# Altium PCB DRS4-PCB.PcbDoc (part 12 of 15) (continued)
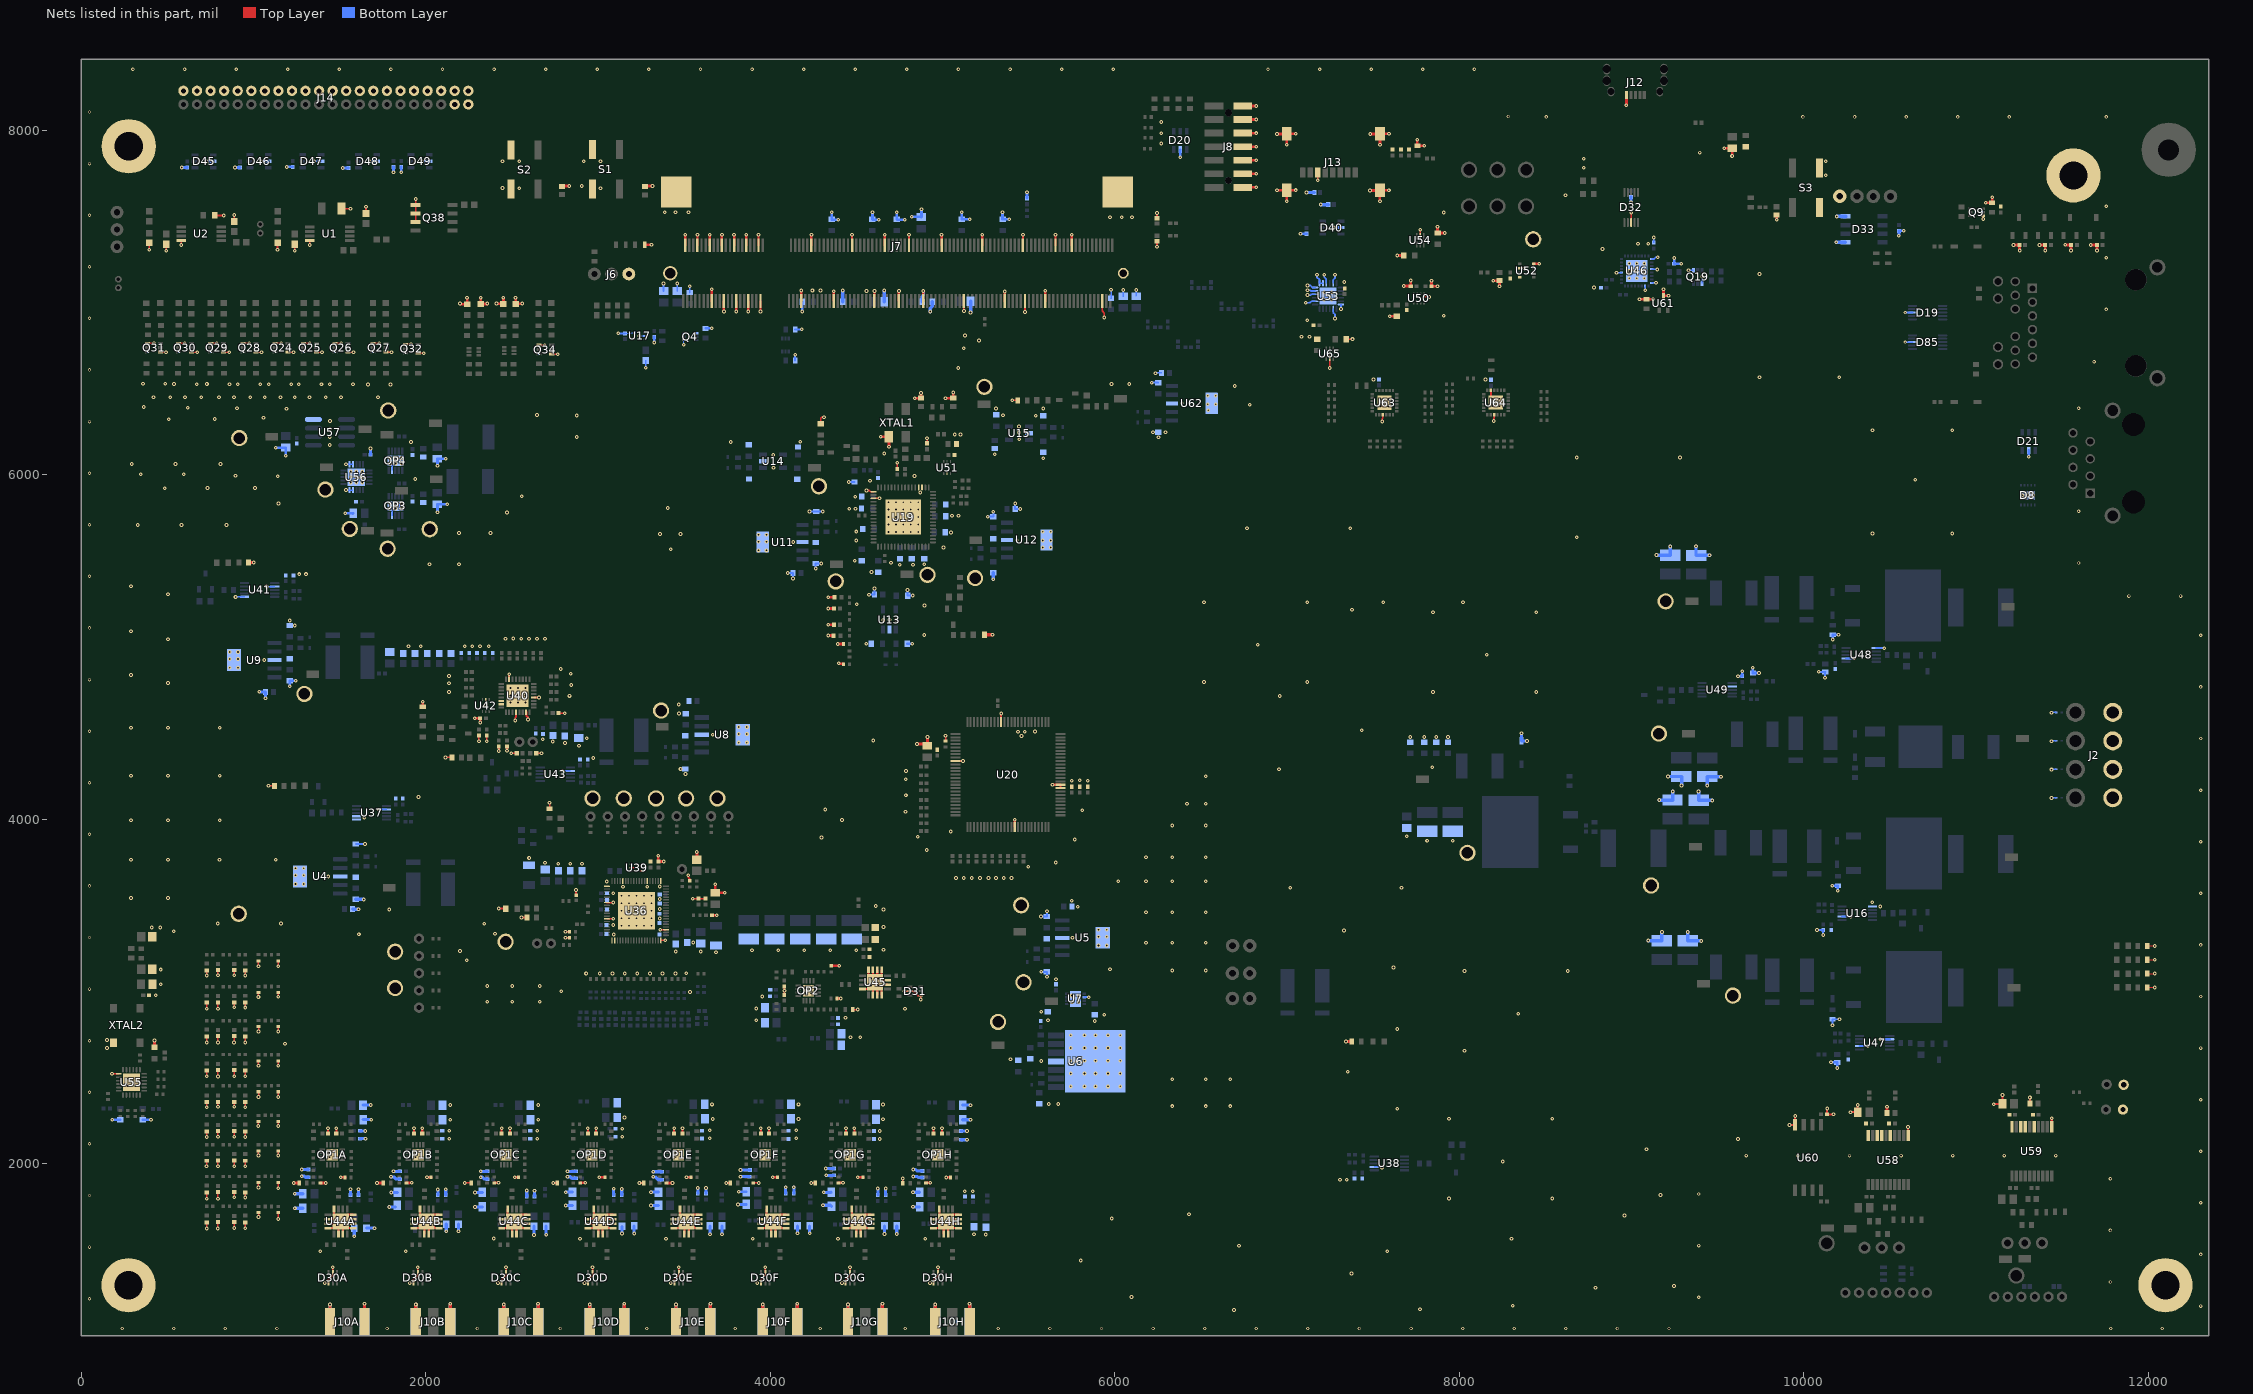
[diagram p22: the nets of this part, all layers, seen from the top]
## Nets (pads, with @x,y where several pads share a name; then routed paths per layer and width w, separated by ;. In a path a pad name is that pad's centre, name@x,y a point inside that pad or via, vN(x,y) a via of type N, cw(c..) or ccw(c..) an arc to the next point about the centre after c; other vN are vias at no path point) (continued)
  Top Layer w13.78: J7.2@3505.66,7331.12 v1@3505.67,7392.92 ; J7.8@3576.52,7331.12 v1@3576.53,7392.92 ; J7.14@3647.38,7331.12 v1@3647.39,7392.92 ; J7.15@3659.11,7007.79 v1@3659.11,7076.95 ; J7.20@3718.24,7331.12 v1@3718.25,7392.92 ; v1@3730.06,6947.44 J7.21@3730.06,7007.79 ; J7.26@3789.1,7331.12 v1@3789.11,7392.92 ; v1@3800.92,6947.44 J7.27@3800.91,7008.12 ; J7.32@3859.96,7331.12 v1@3859.98,7392.91 ; v1@3871.78,6947.44 J7.33@3871.77,7008.12 ; J7.38@3930.82,7331.12 v1@3930.84,7392.91 ; v1@3942.64,6947.44 J7.39@3942.63,7008.12 ; J7.47@4178.85,7008.1 v1@4178.85,7069.51 ; J7.52@4237.89,7331.12 v1@4237.91,7392.91 ; J7.63@4367.8,7008.12 v1@4367.81,7065.44 ; J7.72@4474.09,7331.12 v1@4474.11,7392.91 ; J7.83@4604,7008.12 v1@4604.01,7065.18 ; J7.88@4663.05,7331.12 v1@4663.07,7392.91 ; J7.95@4745.72,7008.12 v1@4745.73,7065.18 ; J7.100@4804.77,7331.12 v1@4804.79,7392.91 ; J7.107@4887.45,7008.1 v1@4887.45,7065.18 ; J7.116@4993.73,7331.12 v1@4993.75,7392.91 ; J7.136@5229.93,7331.12 v1@5229.95,7392.91 ; J7.147@5360.09,7007.79 v1(5360.08,7062.92) ; J7.156@5466.13,7331.12 v1@5466.15,7392.91 ; J7.167@5596.29,7007.79 v1(5596.3,7067.33) ; J7.172@5655.09,7331.12 v1@5655.11,7392.91 ; J7.180@5749.57,7331.12 v1@5749.59,7392.91
  Top Layer w15.75: C288.2@424.34,2675.23 424.34,2714.23 v1(425.02,2714.91) ; R140.1@969.98,5489.69 v1(1001.3,5489.69) ; v1(1232.14,1888.23) 1263.88,1888.23 1264.59,1888.95 C209A.1@1264.75,1888.78 ; R156A.2@1388.16,1888.35 v1(1418.28,1888.35) ; v1(1504.97,1921.83) 1529.51,1921.83 R164A.1@1531.02,1920.31 ; v1(1716.46,1888.5) C209B.1@1753.35,1888.5 ; R156B.2@1887.12,1888.72 1902.5,1888.72 ; 1902.29,1888.5 1902.5,1888.72 ; v1(1917.9,1888.72) 1902.5,1888.72 ; R154.1@1981.57,4653.19 v1(1981.57,4682.22) ; v1(2006.38,1921.68) R164B.1@2029.61,1921.68 ; v1(2198.38,6993.26) 2198.6,6993.26 2201.82,6990.05 D75.1@2239.31,6990.05 2239.31,7026.32 v1(2238.26,7027.36) ; v1(2283.32,4586.24) 2283.49,4586.41 C180.2@2314.96,4586.41 v1(2314.96,4561.57) ; v1(2318.01,7027.36) 2317.87,7027.21 D74.1@2317.87,6990.31 2318.19,6990.64 2355.69,6990.64 2356.93,6991.88 v1(2356.93,6993.26) ; R156C.2@2396.39,1889.02 v1@2419.45,1889.02 ; v1(2410.45,6993.26) 2411.44,6992.27 2449.36,6992.27 D72.1@2449.98,6991.65 2449.98,7027.09 v1(2449.7,7027.36) ; v1@2419.41,1888.98 v1@2419.45,1889.02 ; v1(2421.04,1889.02) v1@2419.45,1889.02 ; v1(2515.55,1920.83) R164C.1@2538.78,1920.83 ; v1(2520.66,7027.36) 2521,7027.02 D73.1@2521,6991.3 2521.62,6991.92 2557.03,6991.92 2558.37,6993.26 v1(2559.97,6993.26) ; C76.2@2791.87,7676.38 v1(2832.07,7676.38) ; R156D.2@2896.51,1888.98 2896.55,1889.02 v1(2925.77,1889.02) ; v1(3006.93,1921.72) 3038.04,1921.72 R164D.1@3038.94,1920.83 ; R44.2@3270.73,7335.91 3271.54,7335.1 v1(3309.55,7335.1) ; C71.2@3275.49,7676.38 v1(3315.89,7676.38) ; v1(3348.62,3788.27) 3348.62,3755.39 C148.1@3349.76,3754.25 v1(3380.28,3754.25) ; R156E.2@3399.72,1888.01 v1@3425.55,1888.01 ; v1(3513.05,1921.11) 3539.13,1921.11 R164E.1@3539.41,1920.83 ; C138.1@3573.83,3765.7 v1@3573.83,3808.16 ; C141.1@3660.58,3443.1 v1(3688.59,3443.1) ; v1(3680.51,3622.52) C142.2@3680.51,3573.23 v1(3735.28,3573.23) ; v1@4012.9,1921.29 4042.01,1921.29 R164F.1@4042.48,1920.83 ; v1(4336.06,5065.86) C248.1@4368.38,5065.86 ; v1(4336.06,5129.13) C247.1@4368.38,5129.13 ; v1(4336.06,5223.54) C246.1@4366.09,5223.54 ; v1@4336.07,5288.39 C245.1@4373.65,5288.39 ; R178.1@4353.04,3149.29 4397.92,3149.28 v1@4400.08,3147.13 ; R171.2@4386.51,2959.32 4407.85,2959.32 v1(4408.43,2958.74) ; v1@4392.18,5017.68 R187.1@4424.49,5017.68 ; R156G.2@4395.61,1888.83 v1@4421.1,1888.83 ; v1(4397.47,4905.78) 4397.47,4904.57 4399.88,4902.17 4423.5,4902.17 4424.49,4901.18 R188.1@4424.49,4899.21 ; v1@4507.7,1921.8 4537.16,1921.8 R164G.1@4537.28,1921.69 ; v1(4641.36,6220.04) XTAL1.4@4688.03,6220.04 v1(4688.03,6163) ; v1(4837.99,6444.25) C92.2@4874.49,6444.25 v1(4874.49,6474.65) ; v1(4851.07,4436.22) 4909.37,4436.22 C114.2@4911.65,4433.94 ; R156H.2@4903.31,1889.01 v1@4926.37,1889.01 ; C114.2@4911.65,4426.85 C114.2@4911.65,4433.94 ; v1(4911.65,4477.43) C114.2@4911.65,4433.94 ; v1@4925.87,1888.5 v1@4926.37,1889.01 ; v1(4927.74,1889.01) v1@4926.37,1889.01 ; v1(5016.73,6444.25) C93.2@5061.82,6444.25 5061.82,6476.75 v1(5062.13,6477.05) ; v1@5020.34,1920.65 5043.99,1920.65 R164H.1@5044.8,1919.84 ; J8.14@6743.17,7668.08 v1(6819.91,7668.08) ; J8.12@6743.17,7746.82 v1(6819.91,7746.82) ; J8.10@6743.17,7825.56 v1(6819.91,7825.56) ; J8.8@6743.17,7904.3 v1(6819.91,7904.3) ; J8.6@6743.17,7983.04 v1(6819.91,7983.04) ; J8.4@6743.17,8061.78 v1(6819.91,8061.78) ; J8.2@6743.17,8140.52 v1(6819.91,8140.52) ; v1(6941.08,7651.38) J13.G4@6997.24,7651.38 ; v1(6941.08,7978.15) J13.G3@6997.24,7978.15 ; v1(6997.95,7588.16) J13.G4@6997.95,7652.09 ; v1(6997.95,7914.94) J13.G3@6997.95,7978.86 ; J13.G4@6998.31,7652.12 v1(7050.17,7652.12) ; J13.G3@6998.31,7978.9 v1(7050.17,7978.9) ; v1(7481.51,7650.47) 7537.68,7650.47 J13.G1@7538.39,7651.18 ; v1(7482.42,7978.15) J13.G2@7538.58,7978.15 ; v1(7538.39,7587.26) J13.G1@7538.39,7651.18 ; v1(7539.29,7914.94) J13.G2@7539.29,7978.86 ; J13.G2@7539.65,7978.9 v1(7591.5,7978.9) ; v1(7590.6,7651.22) 7538.74,7651.22 J13.G1@7538.58,7651.38 J13.G1@7538.39,7651.18 ; v1(7596.03,6919.74) 7636.58,6919.74 7636.63,6919.69 C266.1@7637.33,6920.38 C266.1@7637.54,6920.17 ; v1(7639.85,7272.68) 7676.85,7272.68 C373.1@7676.91,7272.62 ; v1(7677.63,7095.22) 7716.31,7095.22 C273.1@7717.72,7093.81 7718.01,7094.1 v1(7718.01,7127.86) ; v1(7755.92,7944.97) C285.2@7755.92,7909.02 v1(7796.09,7909.02) ; v1(7837.8,7125.74) C268.2@7837.8,7093.82 v1(7872.83,7093.82) ; v1(7873.07,7439.79) C277.1@7873.07,7403.03 v1(7915.07,7403.03) ; v1(8196.66,7126.3) C269.2@8232.7,7126.3 v1(8232.7,7093.75) ; U52.1@8430.59,7223.58 8431.36,7224.36 v1(8463.41,7224.36) ; v1(9045.75,7017.83) C65.1@9085.14,7017.83 v1(9124.53,7017.83) ; v1(9184.8,7075.88) U61.3@9184.8,7037.87 9185.38,7038.44 v1(9213.78,7038.44) ; v1@9536.99,7894.63 C254.2@9583.17,7894.65 v1(9583.17,7849.55) ; v1(9841.64,7479.97) C253.2@9841.64,7511.46 ; C358.2@10482.28,2295.81 v1(10482.28,2331.38) ; v1(11055.6,7578.49) R78.1@11092.93,7578.49 v1(11092.93,7609.99) ; v1(11217.02,7333.06) 11223.36,7333.06 11224.27,7333.97 C109.1@11251.2,7333.97 11251.2,7306.33 11252.32,7305.21 v1@11252.32,7302.15 ; v1(11367.51,7333.97) v1@11369.19,7333.97 ; v1@11373.48,7333.97 C108.1@11400.41,7333.97 11400.41,7306.33 11400.28,7306.21 v1(11400.28,7301.26) ; U59.1@11438.5,2214.09 v1(11438.5,2264.44) ; v1(11517.09,7334.6) 11523.25,7334.6 11523.87,7333.97 C107.1@11550.8,7333.97 v1@11550.8,7306.1 ; v1@11674.27,7333.97 C106.1@11701.19,7333.97 11701.19,7306.33 11701.05,7306.19 v1(11701.05,7301.26) v1@11701.05,7301.11
  Top Layer w18: v1(7341.21,2709.43) R124.1@7374.34,2709.43 ; v1(8968.81,8145.07) 8970.81,8147.07 J12.5@8970.81,8190.1
  Top Layer w19.68: J10A.2@1443.62,1082.68 v1(1443.62,1182.97) ; J10A.5@1643.62,1082.68 v1(1643.62,1186.97) ; J10B.2@1941.93,1082.68 v1(1941.93,1182.97) ; J10B.5@2141.93,1082.68 v1(2141.93,1186.97) ; J10C.2@2451.34,1082.68 v1(2451.34,1182.97) ; J10C.5@2651.34,1082.68 v1(2651.34,1186.97) ; J10D.2@2951.66,1082.68 v1(2951.66,1182.97) ; J10D.5@3151.66,1082.68 v1(3151.66,1186.97) ; J10E.2@3451.78,1082.68 v1(3451.78,1182.97) ; J10E.5@3651.78,1082.68 v1(3651.78,1186.97) ; J10F.2@3955.64,1082.68 v1(3955.64,1182.97) ; J10F.5@4155.64,1082.68 v1(4155.64,1186.97) ; J10G.2@4450.34,1082.68 v1(4450.34,1182.97) ; J10G.5@4650.34,1082.68 v1(4650.34,1186.97) ; J10H.2@4956.52,1082.68 v1(4956.52,1182.97) ; J10H.5@5156.52,1082.68 v1(5156.52,1186.97) ; D23.1@5242.81,5069.96 v1@5289.65,5069.96
  Bottom Layer w5: C63.1@3155.71,6820.28 3190,6820.27 3195.1,6825.38 U17.5@3213.79,6825.38 ; v1(3239.1,6805.71) U17.2@3266.94,6805.69 ; v1(3497.43,6754.79) Q4.4@3497.43,6782.14
  Bottom Layer w7.87: v1(895.37,5289.35) 897.35,5291.34 U41.1@947.41,5291.34 ; v1(1075.03,5350.39) U41.7@1122.61,5350.39 ; v1(1535.79,5911.1) U56.5@1556.91,5911.09 U56.4@1576.59,5911.09 ; v1(1535.79,6060.87) U56.11@1556.91,6060.88 U56.12@1576.59,6060.88 ; v1(1728.24,4055.53) 1729.21,4056.51 U37.7@1772.09,4056.51 ; OP3.4@1803.49,5762.83 1803.49,5799.45 OP3.11@1823.17,5819.13 ; OP4.4@1803.49,6024.61 1803.49,6061.23 OP4.11@1823.17,6080.91 ; v1(2792.49,4281.01) 2792.6,4280.9 U43.7@2839.14,4280.9 ; v1(3276.77,6621.05) C215.1@3276.77,6663.27 ; C64.2@3325.19,6800.48 3326.7,6798.97 C64.2@3325.93,6798.2 ; v1(5571.5,3435.25) v1@5571.7,3435.05 ; v1(6236.23,6588.93) 6238.72,6591.42 C371.2@6270.75,6591.42 ; U38.7@7505.78,1981.63 7552.3,1981.63 7552.3,1981.19 7550.53,1979.42 v1(7550.53,1978.45) ; C251.1@9127.53,7347.62 9127.53,7376.86 v1(9127.83,7377.16) ; v1(9330.06,7186.92) 9357.54,7186.92 Q19.1@9358.14,7186.32 ; Q19.4@9409.33,7111.52 9409.32,7141.7 9410.51,7142.88 v1@9410.51,7150.16
  Bottom Layer w9.8: v1@11438.13,4123.95 D1.2@11464.1,4123.95 ; v1@11438.13,4289.31 D2.2@11464.1,4289.31 ; v1@11438.13,4454.66 D3.2@11464.1,4454.66 ; v1@11438.13,4620.02 D4.2@11464.1,4620.02
  Bottom Layer w9.84: v1(7107.59,6997.86) 7131.31,6997.86 7140.92,7007.47 U53.8@7162.64,7007.47 ; v1(7118.07,7042.78) 7118.78,7042.07 7135.44,7042.07 7140.21,7046.84 U53.10@7162.64,7046.84 ; v1(7118.07,7070.64) 7134.62,7070.64 7138.73,7066.53 U53.11@7162.64,7066.53 ; v1(7118.07,7098.48) 7135.33,7098.48 7147.6,7086.21 U53.12@7162.64,7086.21 ; v1(7172.8,7161.46) 7172.8,7146.35 7188.23,7130.92 U53.13@7188.23,7111.8 U53.14@7207.91,7111.8 ; v1(7214.93,7161.46) 7214.93,7147.3 7227.6,7134.63 U53.15@7227.6,7111.8 ; U53.2@7266.97,6962.19 7266.97,6940.65 7277.63,6929.99 v1(7277.63,6906.75) ; U53.17@7266.97,7111.8 7266.97,7131.45 7277.39,7141.87 v1(7277.39,7161.46) ; v1(7312.24,6962.35) U53.24@7312.24,6987.79 ; v1(8911.68,7173.15) 8911.76,7173.23 U46.4@8941.46,7173.23 ; v1(9078.27,7070.51) U46.26@9078.27,7095.47 ; U46.24@9116.65,7114.17 v1(9141.62,7114.17) ; U46.20@9116.65,7192.91 9147.5,7192.91 v1(9148.73,7191.69) ; U46.17@9116.65,7251.97 9129.85,7251.97 9139.91,7262.02 v1(9152.16,7262.02) ; v3(10588.72,6769.7) D85.8@10630.59,6769.7 ; v3(10588.72,6941.14) D19.8@10630.59,6941.14
  Bottom Layer w10: v1(1351.19,7819.12) D47.2@1391.16,7819.12 ; C121.2@3379.93,7065.75 v1(3379.92,7110.08) ; C120.2@3459.72,7065.75 v1(3459.72,7110.08) ; C122.2@3532.2,7057.62 3532.27,7057.68 v1(3532.27,7093.34) ; C119.2@5977.23,7024.37 5978.25,7025.38 5978.25,7072.8 v1(5977.23,7073.82) ; C112.2@6049.11,7035.99 v1(6049.11,7072.8) ; C111.2@6124.53,7038.31 v1(6124.53,7072.8) ; D40.2@7311.41,7436.07 D40.2@7312.44,7435.04 ; v1(10166.57,2803.16) R6.1@10166.57,2838.86 v1(10206.77,2838.86) ; v1(11436.7,4618.59) v1@11438.13,4620.02
  Bottom Layer w11.81: C13.1@1593.13,3856.1 v1(1646.67,3856.1) ; v1(3117.32,6820.85) 3155.14,6820.85 C63.1@3155.71,6820.28 ; U17.5@3213.35,6825.82 U17.5@3213.79,6825.38 ; v1(4100.97,5429.56) 4101.37,5429.96 C40.2@4130.2,5429.96 4130.2,5397.54 v1(4130.7,5397.05) ; R28.2@4143.78,6664.1 v1(4143.78,6695.96) ; R26.2@4143.78,6843.82 v1(4182,6843.82) ; v1(4227.09,5786.26) C39.1@4265.24,5786.26 v1(4303.68,5786.26) ; v1(4263.29,5455.08) 4262.9,5455.48 C38.1@4262.9,5484.31 4295.31,5484.31 v1(4295.8,5484.81) ; v1(4454.16,5957.44) C94.1@4488.12,5957.44 ; v1(4572.11,5303.57) 4572.61,5304.07 C48.2@4605,5304.07 4605.02,5332.91 4603.65,5334.28 v1@4603.65,5339.43 ; C45.1@4794,5018.61 4822.83,5018.61 v1(4823.23,5019.01) ; v1(4796.33,5331.07) 4796.82,5330.57 C46.1@4796.82,5298.16 4825.66,5298.16 v1(4826.05,5298.56) ; v1(5261.46,5755.66) 5261.95,5756.16 C41.1@5294.37,5756.16 5294.37,5784.99 v1(5293.97,5785.39) ; v1(5420.85,5832.96) 5421.34,5832.46 C43.2@5421.34,5800.05 5450.18,5800.05 v1(5450.58,5800.44) ; v1@5571.7,3435.05 C17.1@5605.2,3435.05 v1(5605.2,3464.97) ; v1@5572.87,3112.59 5574.44,3114.17 C15.1@5605.2,3114.17 v1(5605.2,3084.91) ; U7.6@5821.72,2966.65 v1(5848.08,2966.65) ; v1(6214.15,6533.4) 6214.76,6534 6250.18,6534 C370.1@6250.79,6534.61 ; v1(7269.38,7436.07) D40.2@7311.41,7436.07 ; C262.1@9641.57,4830.4 C262.1@9641.65,4830.31 ; v1(10075.67,3357.35) 10110.83,3357.35 C62.1@10111.82,3356.37 v1(10111.82,3327.83) ; v1(10085.68,4855.91) 10122.24,4855.91 C264.2@10123.9,4854.25 10122.87,4853.23 v1(10122.87,4821.32) ; v1(10167.32,5043) R2.1@10167.32,5070.87 v1(10200.5,5070.87) ; U16.7@10222.07,3434.29 10271.23,3434.29 v1(10271.69,3433.83) ; U48.7@10244.75,4933.75 10292.4,4933.75 v1(10292.99,4934.33) ; U47.7@10323.3,2683.13 v1(10370.64,2683.15) ; U48.1@10419.94,4992.8 v1(10465.94,4992.8) ; v1(10442.91,2722.5) U47.2@10498.49,2722.5
  Bottom Layer w15.75: v1(179.79,2254.8) C287.2@224.39,2254.82 ; C286.2@356.95,2254.8 v1(404.67,2254.8) ; v1(582.64,7783.11) 583.24,7783.71 C329.1@613.86,7783.71 ; v1(725.84,7818.86) D45.2@765.81,7818.86 ; v1(891.51,7783.23) C330.1@921.07,7783.23 ; v1(1032.79,4739.24) 1037.57,4739.24 1037.75,4739.06 C32.2@1068.8,4739.06 1068.8,4706.26 1068.88,4706.18 v1(1068.88,4702.73) ; v1(1044.53,7819.01) D46.2@1084.5,7819.01 ; v1(1129.02,6157.17) C337.2@1186.46,6157.17 v1(1186.46,6109.79) ; v1(1192.92,7786.93) C331.1@1226.73,7786.93 ; v1(1209.94,4771.39) 1209.99,4771.44 C33.1@1209.99,4803.5 v1(1245.11,4803.5) ; v1(1516.61,7780.04) C332.1@1550.36,7780.04 ; v1(1531.79,5776.3) C335.2@1578,5776.3 C335.2@1575.24,5773.55 ; v1(1674.73,7818.94) D48.2@1714.7,7818.94 ; C339.1@1678.66,6116.55 1678.77,6116.66 v1@1678.77,6152.07 ; v1(1812.13,7756.18) 1812.13,7786.67 C334.1@1812.38,7786.93 ; v1(1857.68,7756.18) C333.1@1857.68,7786.54 ; v1(1979.56,7818.94) D49.2@2019.53,7818.94 ; v1(2067.28,5781.49) C340.2@2067.28,5828.35 v1(2124.56,5828.35) ; v1(2067.78,6052.23) 2067.78,6092.27 C343.2@2067.29,6092.76 v1(2115.08,6092.76) ; v1(3325.19,6767.26) C64.2@3325.19,6800.48 ; R34.1@3626.54,6849.57 v1(3660.11,6849.57) ; v1(3811.4,1763.46) C207F.1@3859.61,1763.47 ; v1(3816.57,1837.36) C204F.1@3859.61,1837.36 ; v1(4185.08,6947.36) C68.1@4185.08,7004.09 ; 4355.91,7511.66 4355.91,7480.51 v1(4393.22,7480.51) ; C74.1@4592.2,7482.56 4592.2,7511.65 ; C74.1@4594.49,7480.51 v1(4629.75,7480.51) ; 4733.9,7511.65 C84.1@4733.9,7482.56 4735.94,7480.51 4736.05,7480.61 v1(4779.68,7480.61) ; v1(4820.66,7497.03) 4873.91,7497.03 C81.2@4875.63,7495.31 4876.72,7496.4 v1(4876.72,7541.07) ; v1@5111.18,7524.12 5111.18,7483.78 5111.93,7483.03 5112.07,7483.17 v1(5156.98,7483.17) ; v1(5347.84,7524.37) 5347.84,7483.55 5348.59,7482.81 5348.42,7482.64 C82.1@5348.5,7482.56 v1(5387.24,7482.56) ; C26.1@5490,7605.99 v1(5490,7640.41) ; v1(6378.82,7842.84) D20.2@6378.82,7887.11 ; v1(7077.97,7399.17) 7111.89,7399.17 C276.1@7112.13,7398.94 C276.1@7111.85,7398.66 ; v1(8360.24,4498.86) D81.2@8360.24,4454.53 8392.5,4454.53 v1(8392.58,4454.61) ; C250.1@8996.78,7612.89 v1(8996.77,7582.03) v1@8998.02,7580.78 ; C8.2@9174.39,3295.42 C8.2@9175.56,3294.25 ; v1(9247.38,7258.33) 9247.38,7225.43 C256.1@9246.99,7225.04 9247.47,7224.57 v1(9287.54,7224.57) ; v1(9616.83,4830.31) C262.1@9641.65,4830.31 ; C262.1@9641.57,4830.4 v1(9641.57,4859.15) ; v1(9703.58,4879.33) C265.2@9703.58,4848.43 v1(9739.84,4848.43) ; v1(10157.48,2588.58) 10192.64,2588.58 C261.2@10193.62,2587.6 v1(10193.62,2555.23) ; v1(10165,3614.17) R4.1@10196.85,3614.17 v1(10196.85,3585) ; v1(10550.4,7387.06) 10550.4,7391 10551.56,7392.16 C252.1@10551.56,7415.77 v1(10579.67,7415.77) ; D21.2@11304.97,6140.62 11305.13,6140.45 v1(11305.13,6103.85)
  Bottom Layer w18: v1(1279.88,1927.76) 1293.72,1927.76 1300.16,1921.33 C200A.2@1318.43,1921.33 ; v1(1279.88,1966.61) C202A.2@1317.95,1966.61 ; C219A.1@1561.85,1818.78 v1(1561.85,1851.61) ; C11.2@1574.42,3478.93 C11.2@1576.63,3476.72 ; v1(1584.02,1579.51) C218A.2@1584.02,1625.87 ; C217A.1@1609.29,1818.78 v1(1609.29,1851.61) ; C201A.2@1616.81,2145.35 1648.53,2145.35 v1(1648.94,2144.94) ; C199A.2@1616.81,2190.63 v1@1648.53,2190.63 ; C206A.1@1634.88,2340.28 v1(1679.53,2340.28) ; C203A.1@1636.1,2255.63 v1(1682.24,2255.63) ; C220A.2@1655.04,1625.87 1700.61,1625.87 v1(1701.13,1625.35) ; v1@1786.84,1750 1788.02,1748.82 C204B.1@1823.31,1748.82 ; v1(1797.87,1923.78) 1813.87,1923.78 1827.09,1910.55 C202B.2@1850.23,1910.55 ; v1(1798.63,1833.46) C207B.1@1835.43,1833.46 ; v1(1811.86,1955.83) C200B.2@1850.23,1955.83 ; C219B.1@2069.53,1819.13 v1(2069.53,1849.79) ; C217B.1@2115.43,1819.13 v1(2115.43,1851.29) ; v1(2118.27,1607.64) C220B.2@2118.27,1648.3 ; v1(2188.94,1607.89) C218B.2@2188.94,1649.41 ; v1(2285.04,1748.82) C204C.1@2327.2,1748.82 ; v1(2285.04,1833.46) C207C.1@2327.2,1833.46 ; v1(2318.31,1921.66) 2328.36,1921.66 2339.9,1910.12 C202C.2@2356.89,1910.12 ; v1(2318.31,1955.51) C200C.2@2356.89,1955.51 ; C219C.1@2585.83,1810.32 2585.83,1843.3 v1@2586.93,1844.41 ; v1(2627.2,1586.66) C218C.2@2627.2,1638.11 ; C217C.1@2631.1,1810.32 2631.1,1842.66 v1@2632.12,1843.67 ; v1(2698.23,1587.6) C220C.2@2698.23,1638.11 ; v1(2811.93,1757.8) C204D.1@2851.3,1757.8 ; v1(2811.93,1834.96) C207D.1@2851.3,1834.96 ; v1(2822.13,1924.81) 2822.82,1924.11 2838.91,1924.11 2847.53,1915.49 2871.07,1915.49 C200D.2@2871.71,1914.85 ; v1(2822.13,1955.51) C202D.2@2870.79,1955.51 ; C217D.1@3090.24,1818.94 v1(3090.24,1854.3) ; C219D.1@3136.89,1818.94 v1(3136.89,1853.44) ; v1(3137.99,1594.8) v1(3137.99,1594.8) C220D.2@3138.03,1636.08 ; v1(3209.06,1594.8) C218D.2@3209.06,1638.58 ; v1(3307.4,1757.76) C204E.1@3349.72,1757.76 ; v1(3307.4,1834.92) C207E.1@3349.8,1834.92 ; v1(3319.72,1923.92) 3330.95,1923.92 3348.06,1906.81 C200E.2@3370.24,1906.81 ; v1(3319.72,1953.39) C202E.2@3370.24,1953.39 ; C217E.1@3578.9,1826.98 v1(3578.9,1859.13) ; C219E.1@3626.3,1826.68 v1(3626.3,1859.13) ; C220E.2@3648.54,1638.58 3649.05,1638.08 v1(3649.05,1590.98) ; v1(3719.57,1590.98) C218E.2@3719.57,1638.58 ; v1(3826.61,1964.09) 3827.2,1963.51 C200F.2@3880.64,1963.51 ; v1(3827.05,1924.72) C202F.2@3879.71,1924.72 ; C217F.1@4088.78,1826.5 v1(4088.78,1863.07) ; v1(4135.6,1863.07) 4136.19,1862.48 C219F.1@4136.19,1826.5 ; v1(4156.97,1596.77) C218F.2@4156.97,1638.58 ; v1(4227.99,1596.77) C220F.2@4227.99,1638.58 ; v1(4304.75,1758.57) 4348.93,1758.57 4354.33,1753.17 C207G.1@4355.02,1753.86 ; v1@4310.16,1833.45 4310.3,1833.59 4311.97,1833.59 4312.11,1833.45 4351.96,1833.45 C204G.1@4352.8,1834.29 ; v1(4321.85,1972.05) C200G.2@4369.98,1972.05 ; v1(4323.66,1932.52) C202G.2@4369.6,1932.52 ; C217G.1@4623.9,1817.59 v1(4623.9,1856.1) ; v1(4662.72,1591.69) C218G.2@4662.72,1638.58 ; C219G.1@4669.17,1817.46 v1(4669.17,1856.63) ; v1(4733.74,1591.69) C220G.2@4733.74,1638.58 ; v1(4827.76,1749.37) C207H.1@4866.57,1749.37 ; v1(4827.76,1833.96) 4827.97,1834.17 C204H.1@4866.57,1834.17 ; v1(4829.13,1925.2) 4853.69,1925.2 4859.31,1919.57 C200H.2@4882.79,1919.57 ; v1(4829.13,1965.98) 4843.54,1965.98 4851.82,1957.71 C202H.2@4882.99,1957.71 ; C199H.2@5106.93,2138.98 v1(5141.22,2138.98) ; C201H.2@5106.93,2190.28 v1@5141.22,2190.28 ; C206H.1@5116.61,2255.24 v1(5162.13,2255.24) ; C203H.1@5116.61,2339.88 v1(5162.13,2339.88) ; v1(7112.36,7638.23) D41.2@7158.93,7638.23
  Bottom Layer w19.68: v1(1239.14,1826.02) C207A.1@1284.39,1826.02 ; v1(1239.47,1741.34) C204A.1@1284.72,1741.34 ; J10A.3@1443.63,1082.68 v1(1443.62,1182.97) ; C11.2@1576.63,3476.72 v1(1609.08,3476.72) ; C12.1@1593.73,3535.21 1635.91,3535.21 1637.32,3533.8 v1(1639.12,3533.8) ; J10A.4@1643.63,1082.68 v1(1643.62,1186.97) ; J10B.3@1941.93,1082.68 v1(1941.93,1182.97) ; J10B.4@2141.93,1082.68 v1(2141.93,1186.97) ; J10C.3@2451.34,1082.68 v1(2451.34,1182.97) ; J10C.4@2651.34,1082.68 v1(2651.34,1186.97) ; J10D.3@2951.66,1082.68 v1(2951.66,1182.97) ; J10D.4@3151.66,1082.68 v1(3151.66,1186.97) ; J10E.3@3451.78,1082.68 v1(3451.78,1182.97) ; J10E.4@3651.78,1082.68 v1(3651.78,1186.97) ; J10F.3@3955.64,1082.68 v1(3955.64,1182.97) ; J10F.4@4155.64,1082.68 v1(4155.64,1186.97) ; C69.1@4420.12,7004.09 v1(4420.12,7069.13) ; J10G.3@4450.34,1082.68 v1(4450.34,1182.97) ; J10G.4@4650.34,1082.68 v1(4650.34,1186.97) ; C67.2@4661.1,7004.09 v1(4661.1,7068.85) ; C83.1@4881.06,7003.82 4881.06,7033.61 4888.62,7041.17 v1@4888.62,7066.35 ; v1(4928.53,6947.05) 4928.53,6965.49 4939.85,6976.82 C73.1@4939.85,7003.82 ; J10H.3@4956.52,1082.68 v1(4956.52,1182.97) ; J10H.4@5156.52,1082.68 v1(5156.52,1186.97) ; v1(5162.32,6941.33) C72.2@5162.32,7006.22 ; v1(5294.37,5393.08) C44.1@5294.37,5430.61 ; v1(7195.51,7568.27) D42.2@7239.53,7568.27 ; v1(9096.56,3295.43) C8.2@9174.39,3295.42 ; v1@9144.85,5533.15 C4.2@9222.68,5533.15 ; v1(9159.53,4111.04) C6.2@9237.36,4111.02 ; C8.2@9175.79,3294.48 v1(9175.79,3345.75) ; v1(9210.72,4248.18) C35.1@9288.55,4248.18 ; C4.2@9224.08,5532.21 v1(9224.08,5583.48) ; C6.2@9238.76,4110.08 v1@9238.76,4161.34 ; v1@9289.72,4195.74 C35.1@9289.72,4247 ; C9.2@9325.56,3294.49 v1@9325.56,3345.74 ; C9.2@9326.74,3293.31 v1(9404.57,3293.31) ; C5.2@9373.5,5532.94 v1@9373.5,5584.2 ; C5.2@9374.67,5531.77 v1(9452.5,5531.77) ; C7.2@9388.54,4110.08 v1@9388.54,4161.34 ; C7.2@9389.71,4108.91 v1(9467.54,4108.91) ; v1(9439.5,4195.74) C36.1@9439.5,4247 ; C36.1@9440.9,4246.06 v1(9518.73,4246.05) ; v1@10187.68,7349.23 D33.5@10241.03,7349.23 ; v1@10190.37,7499.65 D33.8@10232.74,7499.65
  Bottom Layer w23.62: D33.8@10232.74,7499.65 10233.16,7499.23 D33.8@10241.03,7499.23